# Altium PCB PCB_15122020_01BC.PcbDoc (part 7 of 9)
Units mm, origin at the board's own origin, x right, y up, seen from the top; angles counter-clockwise.
Board outline 207.9 x 131.1 mm, 4 copper layers (Top Layer, Layer 1, Layer 2, Bottom Layer), stack 1.57 mm thick; 684 components, 706 nets, 2796 pads, 1697 vias.
Unrouted connection lines stored in the file: 3.
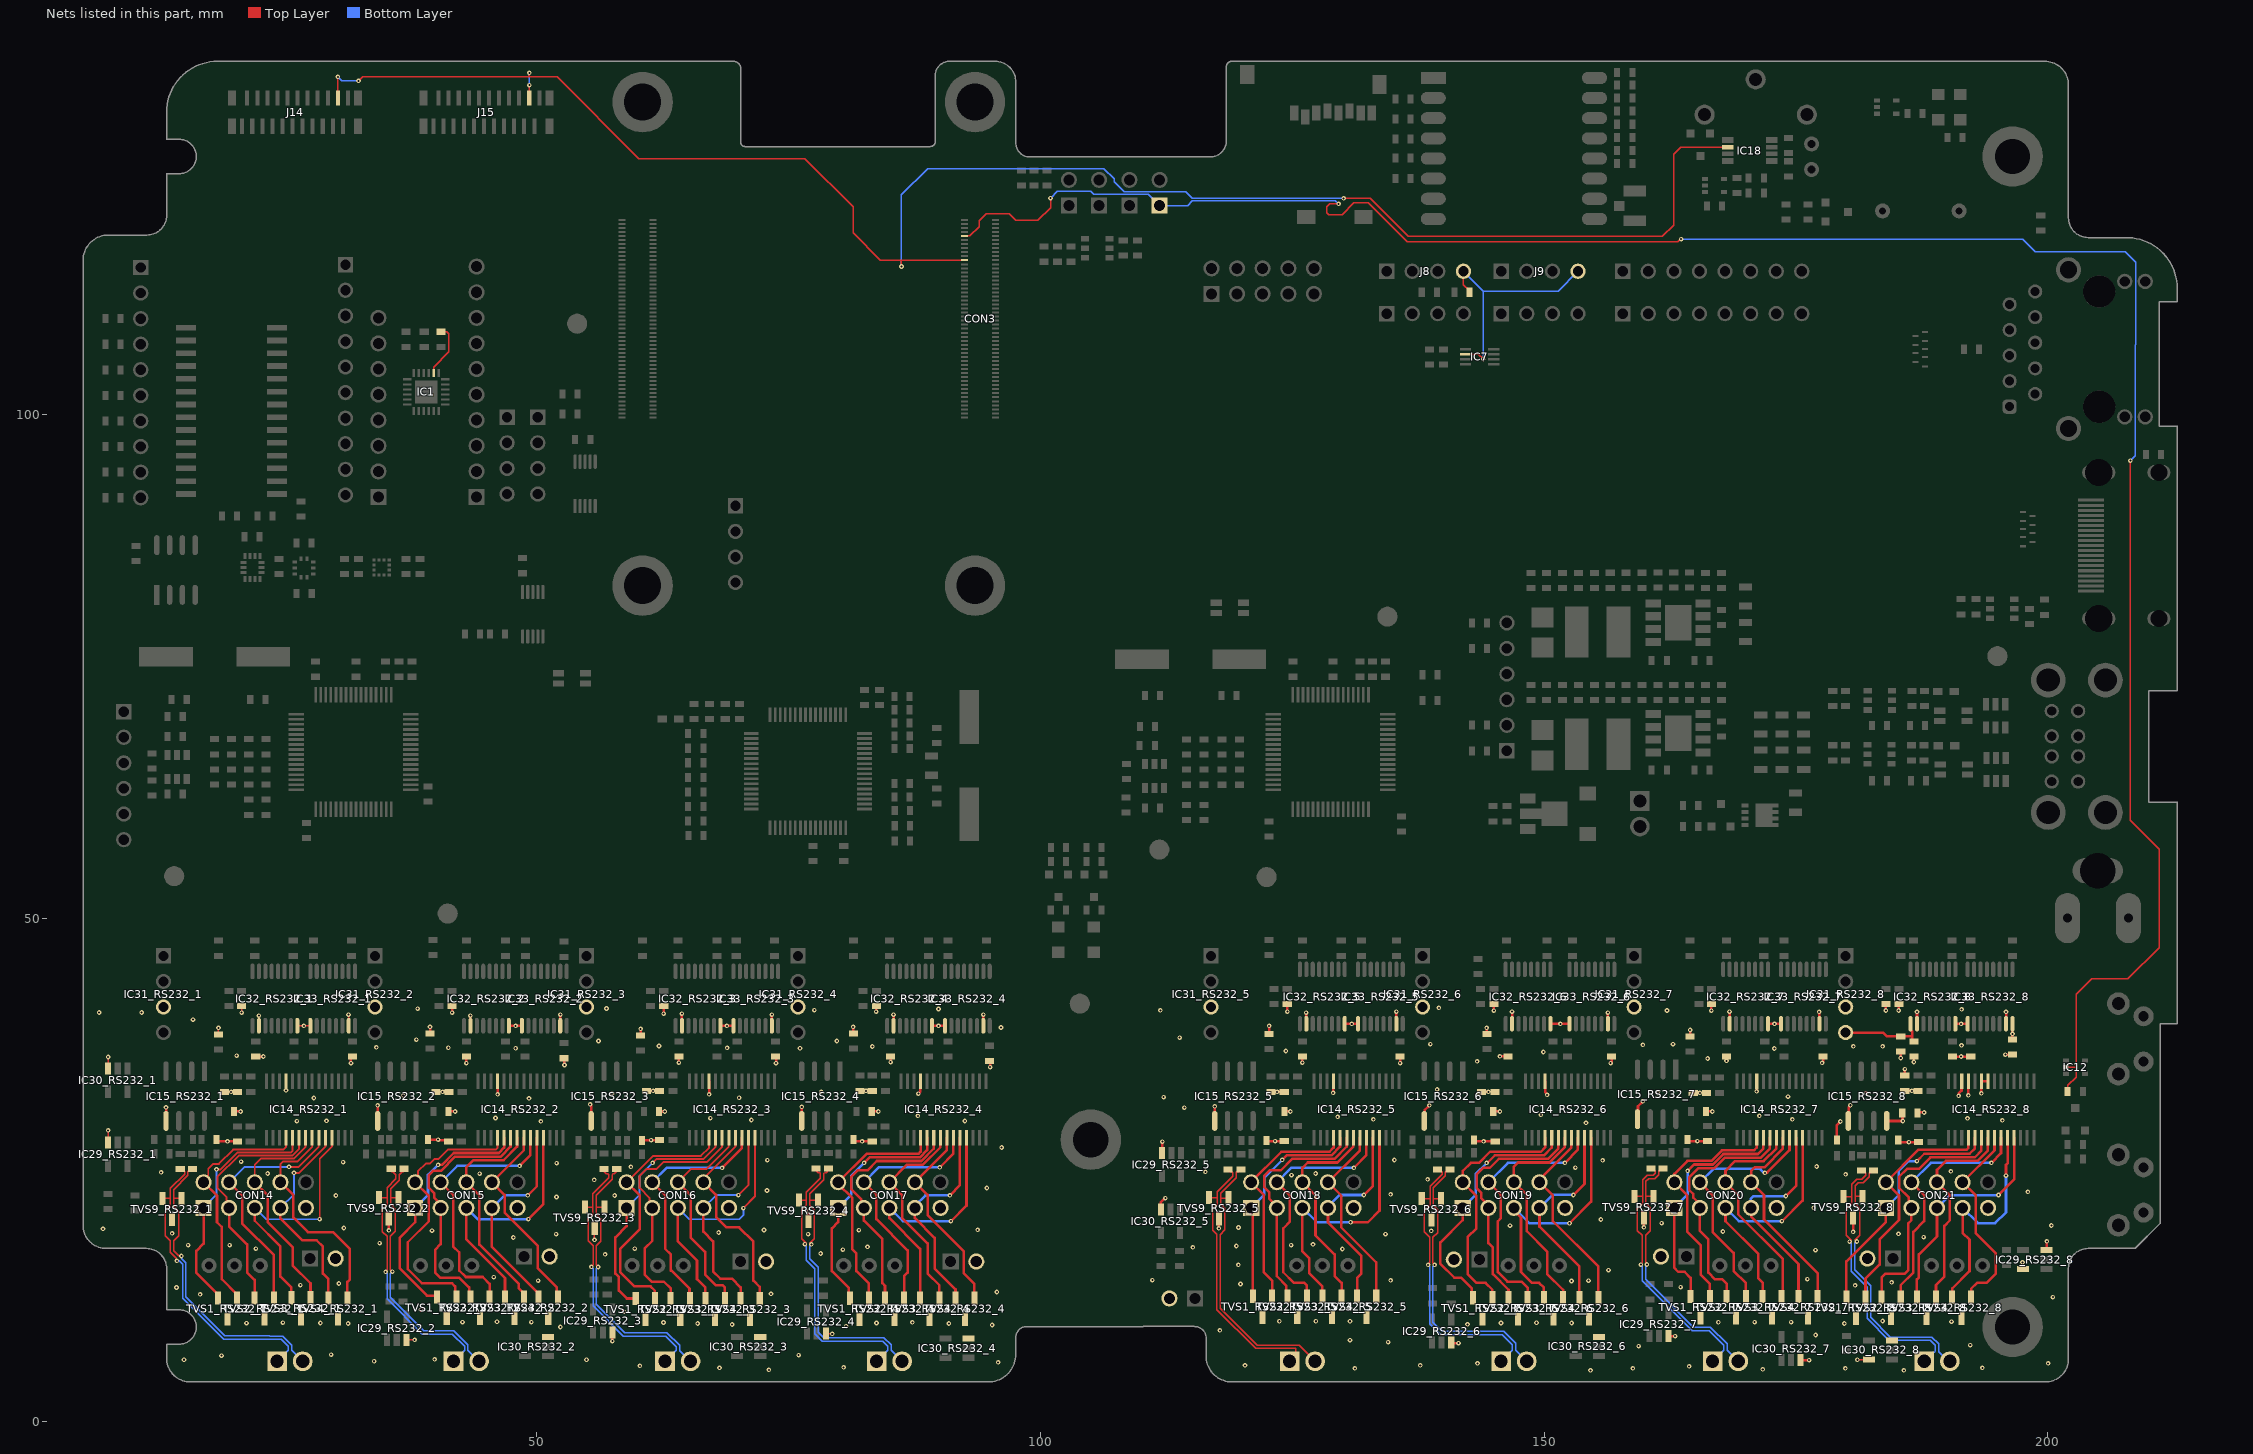
[diagram p9: the nets of this part, all layers, seen from the top]

## Via types
v1: diameter 0.46, hole 0.2, Top Layer to Bottom Layer, tented both sides, 1697 vias

## Nets (pads, with @x,y where several pads share a name; then routed paths per layer and width w, separated by ;. In a path a pad name is that pad's centre, name@x,y a point inside that pad or via, vN(x,y) a via of type N, cw(c..) or ccw(c..) an arc to the next point about the centre after c; other vN are vias at no path point) (continued)
RS232_+5V_RS232_8: C39_RS232_8.1 C45_RS232_8.1 C51_RS232_8.2 C119_RS232_8.1 C121_RS232_8.1 IC14_RS232_8.22 IC14_RS232_8.23 IC14_RS232_8.26 IC15_RS232_8.8 IC29_RS232_8.5 IC30_RS232_8.5 IC31_RS232_8.4 IC32_RS232_8.1 IC33_RS232_8.16 R56_RS232_8.2 R70_RS232_8.1 R71_RS232_8.2 R97_RS232_8.2 | length 23.3
  Top Layer w0.127: v1(181.1,6.15) 182.23,6.15 IC30_RS232_8.5@182.25,6.17 IC30_RS232_8.5@182.3,6.12
  Top Layer w0.254: R70_RS232_8.1@179.05,27.95 179.025,27.975 179.025,29.425 v1(179.4,29.8) ; IC31_RS232_8.4@179.934,38.63 183.649,38.63 184.029,38.25 C39_RS232_8.1@185.4,38.25 186.523,38.25 ; IC15_RS232_8.8@184.004,29.86 184.014,29.85 v1(185.6,29.85) 185.575,29.875 185.575,30.875 C51_RS232_8.2@185.55,30.9 ; v1(185.2,40.825) 185.2,41.442 R56_RS232_8.2@185.227,41.469 ; C45_RS232_8.1@185.8,34.35 v1(185.8,35) ; IC32_RS232_8.1@186.378,39.5 186.378,38.885 186.523,38.74 186.523,38.25 ; C119_RS232_8.1@186.7,37.75 186.696,37.75 186.523,37.923 186.523,38.25 ; R71_RS232_8.2@190.525,36.25 v1(191.4,36.25) R97_RS232_8.2@192.35,36.25 ; v1(191.143,32.35) 191.143,32.581 191.432,32.87 191.432,33.777 IC14_RS232_8.26@191.455,33.8 ; v1(193.405,32.6) IC14_RS232_8.23@193.405,33.8 IC14_RS232_8.22@194.055,33.8 ; C121_RS232_8.1@196.488,38.05 v1(196.488,38.5) IC33_RS232_8.16@196.488,39.5 ; v1(197.491,15.824) 197.491,15.209 IC29_RS232_8.5@197.55,15.15
  Bottom Layer w0.254: v1(179.4,29.8) v1@179.425,29.825 ; v1@185.575,29.825 v1(185.6,29.85)
RS232_GND_RS232_1: C39_RS232_1.2 C45_RS232_1.2 C47_RS232_1.2 C49_RS232_1.2 C51_RS232_1.1 C119_RS232_1.2 C121_RS232_1.2 CON14.9 IC14_RS232_1.25 IC15_RS232_1.5 IC29_RS232_1.3 IC30_RS232_1.3 IC31_RS232_1.3 IC32_RS232_1.2 IC32_RS232_1.8 IC33_RS232_1.9 IC33_RS232_1.15 J12_RS232_1.2 R57_RS232_1.2 R61_RS232_1.2 TVS1_RS232_1.3 TVS2_RS232_1.3 TVS3_RS232_1.3 TVS4_RS232_1.3 TVS9_RS232_1.3 | length 15
  Top Layer w0.127: IC29_RS232_1.3@7.45,27.7 v1(7.45,28.925) ; IC30_RS232_1.3@7.45,35.05 v1(7.45,36.2) ; C39_RS232_1.2@18.4,38.45 v1(18.4,39.1) ; C45_RS232_1.2@19,32.75 v1(19.65,32.75) C47_RS232_1.2@20.3,32.75 ; v1(20.7,40.6) R57_RS232_1.2@20.7,41.25 ; v1(22.4,40.313) 22.406,40.306 22.406,39.306 IC32_RS232_1.2@22.413,39.3 ; v1(25.1,32.9) 25.102,32.902 25.102,33.797 IC14_RS232_1.25@25.105,33.8 ; IC32_RS232_1.8@26.223,39.3 v1(26.87,39.3) IC33_RS232_1.9@27.517,39.3 ; v1(31.3,40.4) 31.327,40.373 IC33_RS232_1.15@31.327,39.3
  Top Layer w0.254: IC15_RS232_1.5@13.195,29.86 v1(13.195,31.2) ; R61_RS232_1.2@18.196,28 18.196,27.998 18.369,27.825 v1(19.3,27.825) C49_RS232_1.2@20.3,27.825 ; C51_RS232_1.1@19.95,30.8 v1(20.6,30.8) ; C119_RS232_1.2@22.1,36.25 v1(22.85,36.25) ; v1(31.55,35.6) 31.55,36.1 C121_RS232_1.2@31.7,36.25
  Bottom Layer w0.127: v1@31.3,40.313 v1(31.3,40.4)
  other v1: 14.975,6.15 18.7,6.55 29.575,6.655 31.275,9.75 21.175,9.775 28.505,9.8 24.787,9.833 16.575,12.65 14.229,13.32 26.525,13.55 30.35,13.725 22.1,17.175 15.392,17.526 19.5,17.525 13.792,18.694 6.933,19.15 30.836,19.228 30.054,22.454 23.275,24.645 12.71,24.749 30.772,25.757 20.65,25.814 26.183,29.829 29.126,29.861 27.865,32.134 20.203,36.339 15.874,39.905 6.55,40.625 10.775,40.625
RS232_GND_RS232_2: C39_RS232_2.2 C45_RS232_2.2 C47_RS232_2.2 C49_RS232_2.2 C51_RS232_2.1 C119_RS232_2.2 C121_RS232_2.2 CON15.9 IC14_RS232_2.25 IC15_RS232_2.5 IC29_RS232_2.3 IC30_RS232_2.3 IC31_RS232_2.3 IC32_RS232_2.2 IC32_RS232_2.8 IC33_RS232_2.9 IC33_RS232_2.15 J12_RS232_2.2 R57_RS232_2.2 R61_RS232_2.2 TVS1_RS232_2.3 TVS2_RS232_2.3 TVS3_RS232_2.3 TVS4_RS232_2.3 TVS9_RS232_2.3 | length 13.9
  Top Layer w0.127: IC29_RS232_2.3@37.043,8.121 v1(37.871,8.121)
  Top Layer w0.254: IC15_RS232_2.5@34.195,29.86 34.198,29.863 34.198,31.398 v1(34.2,31.4) ; TVS9_RS232_2.3@35.3,20.15 35.306,20.144 v1(35.306,18.999) ; R61_RS232_2.2@39.21,28 39.212,27.998 v1(40.2,27.998) 40.238,27.96 41.115,27.96 C49_RS232_2.2@41.25,27.825 ; C39_RS232_2.2@39.4,38.55 v1(39.4,39.2) ; C51_RS232_2.1@41.25,30.8 41.895,30.8 v1(41.9,30.795) ; v1(41.6,40.6) R57_RS232_2.2@41.6,41.25 ; v1(43,35.6) C119_RS232_2.2@43,36.25 ; v1(43.4,40.313) 43.406,40.306 43.406,39.306 IC32_RS232_2.2@43.412,39.3 ; v1(46.105,32.5) IC14_RS232_2.25@46.105,33.8 ; IC32_RS232_2.8@47.222,39.3 v1(47.9,39.3) 48.5,39.3 IC33_RS232_2.9@48.509,39.309 ; IC33_RS232_2.15@52.328,39.3 v1(52.328,40.4) ; C121_RS232_2.2@52.7,36.25 52.8,36.15 52.64,35.99 52.745,35.885 v1(52.745,35.41)
  other v1: 33.85,6 39.851,6.198 52.328,9.4 42.625,9.879 49.456,9.879 46.05,9.921 38.5,11.125 50.133,13.993 45.725,14.35 34.392,17.729 47.676,18.288 51.918,18.626 39.598,18.957 51.95,22.313 44.325,24.632 51.968,25.664 50.405,29.821 45.904,30.146 49.23,32.096 36.74,32.384 40.65,32.75 47.892,37.072 41.216,37.122 34.064,37.16 38.04,37.922 38.177,41.011
RS232_GND_RS232_3: C39_RS232_3.2 C45_RS232_3.2 C47_RS232_3.2 C49_RS232_3.2 C51_RS232_3.1 C119_RS232_3.2 C121_RS232_3.2 CON16.9 IC14_RS232_3.25 IC15_RS232_3.5 IC29_RS232_3.3 IC30_RS232_3.3 IC31_RS232_3.3 IC32_RS232_3.2 IC32_RS232_3.8 IC33_RS232_3.9 IC33_RS232_3.15 J12_RS232_3.2 R57_RS232_3.2 R61_RS232_3.2 TVS1_RS232_3.3 TVS2_RS232_3.3 TVS3_RS232_3.3 TVS4_RS232_3.3 TVS9_RS232_3.3 | length 14.4
  Top Layer w0.127: v1(55.725,18.05) TVS9_RS232_3.3@55.725,19.225
  Top Layer w0.254: v1(55.3,31.5) 55.3,31.447 55.395,31.352 IC15_RS232_3.5@55.395,29.86 ; TVS9_RS232_3.3@55.725,19.225 TVS9_RS232_3.3@55.75,19.2 ; v1(57.5,8) IC29_RS232_3.3@57.5,8.85 ; C39_RS232_3.2@60.3,38.35 60.31,38.36 v1(60.31,39) ; R61_RS232_3.2@60.45,27.9 60.5,27.95 v1(61.35,27.95) C49_RS232_3.2@62.2,27.95 ; C45_RS232_3.2@60.9,32.85 v1(61.544,32.85) v1@61.6,32.85 ; C51_RS232_3.1@62.15,30.8 62.155,30.795 v1(62.7,30.795) ; v1(62.6,40.5) R57_RS232_3.2@62.6,41.25 ; v1(64.1,35.641) C119_RS232_3.2@64.1,36.25 ; v1(64.4,40.5) 64.406,40.494 64.406,39.306 IC32_RS232_3.2@64.413,39.3 ; v1(67.1,32.5) 67.102,32.502 67.102,33.798 IC14_RS232_3.25@67.105,33.8 ; IC32_RS232_3.8@68.223,39.3 v1(68.87,39.3) IC33_RS232_3.9@69.517,39.3 ; IC30_RS232_3.3@72.161,8.429 IC30_RS232_3.3@72.18,8.41 ; IC33_RS232_3.15@73.327,39.3 v1(73.327,40.4) ; C121_RS232_3.2@73.7,36.25 73.75,36.2 v1(73.75,35.6)
  other v1: 73.033,5.15 68.134,5.35 60.233,5.55 54.933,6.15 69.4,9.651 65.975,9.75 62.575,9.85 58.658,10.925 73.25,12.7 56.786,16.619 59.722,17.179 68.052,18.786 72.551,19.034 57.732,22.458 72.85,22.95 55.702,24.003 59.334,25.3 72.887,25.96 71.293,29.945 67.22,30.139 70.089,32.158 57.459,32.586 68.9,37.117 62.123,37.299 56.123,37.797 56.912,41.015
RS232_GND_RS232_4: C39_RS232_4.2 C45_RS232_4.2 C47_RS232_4.2 C49_RS232_4.2 C51_RS232_4.1 C119_RS232_4.2 C121_RS232_4.2 CON17.9 IC14_RS232_4.25 IC15_RS232_4.5 IC29_RS232_4.3 IC30_RS232_4.3 IC31_RS232_4.3 IC32_RS232_4.2 IC32_RS232_4.8 IC33_RS232_4.9 IC33_RS232_4.15 J12_RS232_4.2 R57_RS232_4.2 R61_RS232_4.2 TVS1_RS232_4.3 TVS2_RS232_4.3 TVS3_RS232_4.3 TVS4_RS232_4.3 TVS9_RS232_4.3 | length 13.3
  Top Layer w0.127: IC29_RS232_4.3@78.7,8.75 78.725,8.725 v1(79.329,8.725) ; IC30_RS232_4.3@92.87,8.25 IC30_RS232_4.3@93.07,8.45
  Top Layer w0.254: IC15_RS232_4.5@76.295,29.86 76.298,29.862 76.298,31.253 v1(76.3,31.255) ; TVS9_RS232_4.3@76.985,19.9 76.993,19.907 76.993,20.893 v1(77,20.9) ; v1(81.4,39.2) 81.4,38.579 C39_RS232_4.2@81.429,38.55 ; R61_RS232_4.2@81.429,28 81.429,27.998 81.602,27.825 v1(82.3,27.825) C49_RS232_4.2@83.3,27.825 ; C51_RS232_4.1@83.25,30.8 v1(83.9,30.8) ; v1(83.684,40.7) 83.684,41.234 R57_RS232_4.2@83.7,41.25 ; C119_RS232_4.2@85.1,36.25 85.125,36.225 v1(85.125,35.698) ; IC32_RS232_4.2@85.413,39.3 v1(85.413,40.4) ; v1(87.878,32.567) 87.878,32.575 88.082,32.779 88.082,33.777 IC14_RS232_4.25@88.105,33.8 ; IC32_RS232_4.8@89.223,39.3 v1(89.87,39.3) IC33_RS232_4.9@90.517,39.3 ; IC33_RS232_4.15@94.327,39.3 v1(94.327,40.4) ; C121_RS232_4.2@94.87,35.93 95,35.8 v1(95,35.2)
  other v1: 80.46,5.4 95.8,5.9 76,6.6 80.7,9.475 95.2,9.6 90.9,9.75 83.725,9.8 87.275,9.856 95.675,12.875 78.175,16.694 80.375,17.075 82.825,17.35 76.932,18.62 81.974,19.016 93.761,19.054 94.675,23.2 96.144,27.224 92.485,29.855 87.831,30.369 78.24,32.741 82.683,32.85 76.133,37.072 83.3,37.247 79.785,37.791 96.076,39.139 77.551,40.85 89.875,40.967
RS232_GND_RS232_5: C39_RS232_5.2 C45_RS232_5.2 C47_RS232_5.2 C49_RS232_5.2 C51_RS232_5.1 C119_RS232_5.2 C121_RS232_5.2 CON18.9 IC14_RS232_5.25 IC15_RS232_5.5 IC29_RS232_5.3 IC30_RS232_5.3 IC31_RS232_5.3 IC32_RS232_5.2 IC32_RS232_5.8 IC33_RS232_5.9 IC33_RS232_5.15 J12_RS232_5.2 R57_RS232_5.2 R61_RS232_5.2 TVS1_RS232_5.3 TVS2_RS232_5.3 TVS3_RS232_5.3 TVS4_RS232_5.3 TVS9_RS232_5.3 | length 15.7
  Top Layer w0.254: IC30_RS232_5.3@111.95,21.05 111.95,21.8 112.35,22.2 v1(112.4,22.2) ; IC29_RS232_5.3@112.05,26.672 112.075,26.697 112.075,27.775 v1(112.1,27.8) ; IC15_RS232_5.5@117.295,29.86 117.297,29.862 117.297,31.298 v1(117.3,31.3) ; v1(117.7,19.2) TVS9_RS232_5.3@117.7,20.15 ; R61_RS232_5.2@122.45,27.9 122.5,27.85 v1(123.3,27.85) C49_RS232_5.2@124.2,27.85 ; C39_RS232_5.2@122.7,38.488 v1(122.7,39.3) ; C45_RS232_5.2@122.9,32.7 C45_RS232_5.2@122.95,32.75 ; v1(123.5,32.75) C47_RS232_5.2@124.2,32.75 ; C51_RS232_5.1@124.21,30.8 v1(124.8,30.8) ; v1(124.5,40.7) R57_RS232_5.2@124.5,41.45 ; v1(126,35.641) C119_RS232_5.2@126,36.25 ; v1(126.375,40.6) 126.384,40.591 126.384,39.509 IC32_RS232_5.2@126.392,39.5 ; v1(129.05,32.65) 129.082,32.682 129.082,33.777 IC14_RS232_5.25@129.105,33.8 ; IC32_RS232_5.8@130.202,39.5 v1(130.9,39.5) IC33_RS232_5.9@131.517,39.5 ; IC33_RS232_5.15@135.327,39.5 v1(135.327,40.7) ; v1(135.7,35.6) C121_RS232_5.2@135.7,36.25
  other v1: 131.2,5.3 120.3,5.6 134.512,7.897 130.728,8.1 117.812,9.072 123.712,9.972 127.337,9.972 130.728,9.972 119.862,13.672 134.762,14.028 111.108,14.047 119.65,15.566 129.962,17.147 115.127,17.315 119.447,17.443 124.893,17.533 127.059,17.598 134.257,18.626 119.661,19.276 134.763,22.572 124.919,24.478 127.315,24.645 116.361,24.799 135.132,25.98 133.043,30.019 129.5,30.264 114.287,31.172 112.232,32.213 124.362,36.806 113.811,38.122 111.891,40.84
RS232_GND_RS232_6: C39_RS232_6.2 C45_RS232_6.2 C47_RS232_6.2 C49_RS232_6.2 C51_RS232_6.1 C119_RS232_6.2 C121_RS232_6.2 CON19.9 IC14_RS232_6.25 IC15_RS232_6.5 IC29_RS232_6.3 IC30_RS232_6.3 IC31_RS232_6.3 IC32_RS232_6.2 IC32_RS232_6.8 IC33_RS232_6.9 IC33_RS232_6.15 J12_RS232_6.2 R57_RS232_6.2 R61_RS232_6.2 TVS1_RS232_6.3 TVS2_RS232_6.3 TVS3_RS232_6.3 TVS4_RS232_6.3 TVS9_RS232_6.3 | length 14.4
  Top Layer w0.254: IC15_RS232_6.5@138.095,29.86 138.148,29.913 138.148,30.948 v1(138.6,31.4) ; IC29_RS232_6.3@140.779,7.85 140.829,7.8 v1(141.5,7.8) ; R61_RS232_6.2@143.05,27.95 143.175,27.825 v1(144,27.825) C49_RS232_6.2@145.143,27.825 ; C45_RS232_6.2@143.8,32.75 v1(144.46,32.75) v1@144.5,32.75 ; v1(144.3,39.1) 144.3,38.513 C39_RS232_6.2@144.325,38.488 ; C51_RS232_6.1@144.945,30.8 v1(145.6,30.8) ; v1(145,40.8) 145,41.445 R57_RS232_6.2@145.005,41.45 ; v1(145.6,36.268) 145.609,36.259 146.391,36.259 C119_RS232_6.2@146.4,36.25 ; IC32_RS232_6.2@146.813,39.5 v1(146.813,40.7) ; IC14_RS232_6.25@150.105,33.8 150.1,33.795 150.1,32.708 150.3,32.508 v1(150.3,32.455) ; IC32_RS232_6.8@150.623,39.5 v1(151.6,39.5) IC33_RS232_6.9@152.518,39.5 ; IC33_RS232_6.15@156.328,39.5 v1(156.328,40.6) ; v1(156.6,35.6) 156.6,35.653 156.7,35.753 C121_RS232_6.2@156.7,36.25
  other v1: 154.6,5.1 137.7,5.6 143.387,5.797 142.387,9.672 145.712,9.797 152.737,9.797 149.237,9.822 152.712,13.972 154.398,13.997 156.387,15.047 138.792,18.942 146.605,19.464 155.636,20.066 138.431,24.053 153.094,25.217 155.809,25.939 154.151,29.671 149.669,30.461 139.381,32.976 143.341,35.772 149.923,36.697 138.699,37.471 139.545,41.089
RS232_GND_RS232_7: C39_RS232_7.2 C45_RS232_7.2 C47_RS232_7.2 C49_RS232_7.2 C51_RS232_7.1 C119_RS232_7.2 C121_RS232_7.2 CON20.9 IC14_RS232_7.25 IC15_RS232_7.5 IC29_RS232_7.3 IC30_RS232_7.3 IC31_RS232_7.3 IC32_RS232_7.2 IC32_RS232_7.8 IC33_RS232_7.9 IC33_RS232_7.15 J12_RS232_7.2 R57_RS232_7.2 R61_RS232_7.2 TVS1_RS232_7.3 TVS2_RS232_7.3 TVS3_RS232_7.3 TVS4_RS232_7.3 TVS9_RS232_7.3 | length 14.2
  Top Layer w0.254: IC15_RS232_7.5@159.263,30.035 159.316,30.088 159.316,31.316 v1(159.8,31.8) ; v1(159.9,19.3) TVS9_RS232_7.3@159.9,20.25 ; IC29_RS232_7.3@162.35,8.5 v1(163,8.5) ; R61_RS232_7.2@164.25,28 164.4,27.85 v1(165.2,27.85) C49_RS232_7.2@166.2,27.85 ; C39_RS232_7.2@164.5,38.25 v1(164.5,38.885) ; C51_RS232_7.1@166.075,30.8 v1(166.7,30.8) ; v1(166.599,40.8) 166.599,41.43 R57_RS232_7.2@166.619,41.45 ; v1(168.1,35.814) C119_RS232_7.2@168.1,36.25 ; v1(168.4,40.7) 168.406,40.694 168.406,39.506 IC32_RS232_7.2@168.413,39.5 ; v1(171.1,32.8) 171.102,32.803 171.102,33.797 IC14_RS232_7.25@171.105,33.8 ; IC32_RS232_7.8@172.223,39.5 v1(172.87,39.5) IC33_RS232_7.9@173.517,39.5 ; IC30_RS232_7.3@175.46,6.11 v1(176.3,6.11) ; v1(177.3,40.694) 177.314,40.68 177.314,39.514 IC33_RS232_7.15@177.327,39.5 ; v1(177.605,35.619) 177.605,35.672 177.7,35.767 C121_RS232_7.2@177.7,36.25
  other v1: 171.7,5.2 158.8,5.3 164.4,5.5 159.375,7.5 176.955,8.6 167.3,9.872 170.9,9.879 174.525,9.879 163.546,13.35 176.125,14.15 176.943,17.023 167.737,18.881 161.66,19.712 176.75,21.23 177.049,25.333 174.642,30.009 171.357,30.354 174.213,32.272 161.278,32.636 165.45,32.65 166.234,36.051 172.86,37.053 159.796,37.415 162.797,37.487 162.202,40.825
RS232_GND_RS232_8: C39_RS232_8.2 C45_RS232_8.2 C47_RS232_8.2 C49_RS232_8.2 C51_RS232_8.1 C119_RS232_8.2 C121_RS232_8.2 CON21.9 IC14_RS232_8.25 IC15_RS232_8.5 IC29_RS232_8.3 IC30_RS232_8.3 IC31_RS232_8.3 IC32_RS232_8.2 IC32_RS232_8.8 IC33_RS232_8.9 IC33_RS232_8.15 J12_RS232_8.2 R57_RS232_8.2 R61_RS232_8.2 TVS1_RS232_8.3 TVS2_RS232_8.3 TVS3_RS232_8.3 TVS4_RS232_8.3 TVS9_RS232_8.3 | length 15
  Top Layer w0.127: IC30_RS232_8.3@184.55,8.07 IC30_RS232_8.3@184.6,8.02
  Top Layer w0.254: IC15_RS232_8.5@180.194,29.86 180.247,29.913 180.247,31.208 180.4,31.361 v1(180.4,31.414) ; v1(180.674,18.84) TVS9_RS232_8.3@180.674,20.25 ; v1(183.92,40.825) R57_RS232_8.2@183.92,41.45 ; R61_RS232_8.2@185.153,27.95 185.153,27.923 185.326,27.75 v1(186.2,27.75) C49_RS232_8.2@187.15,27.75 ; v1(185.4,36.1) C39_RS232_8.2@185.4,36.75 ; C45_RS232_8.2@185.8,32.85 v1(186.5,32.85) ; v1(186.7,35.713) C119_RS232_8.2@186.7,36.25 ; IC32_RS232_8.2@187.013,39.5 v1(187.013,40.68) ; C51_RS232_8.1@187.05,30.65 187.1,30.7 v1(187.73,30.7) ; IC32_RS232_8.8@190.823,39.5 v1(191.4,39.5) IC33_RS232_8.9@192.043,39.5 ; v1(192.102,32.403) 192.102,33.797 IC14_RS232_8.25@192.105,33.8 ; v1(195.775,36.437) 195.781,36.444 196.481,36.444 C121_RS232_8.2@196.488,36.45 ; IC33_RS232_8.15@195.853,39.5 v1(195.853,40.68) ; IC29_RS232_8.3@199.85,17.05 199.9,17.1 v1(199.9,17.9)
  other v1: 185.7,5.1 179.9,5.3 193.5,5.35 200.04,5.8 192.3,7.6 179.8,9.75 190.44,9.925 183.6,10 200.5,12.365 180.875,13.528 184.499,13.825 187.675,18.325 185.175,18.65 200.35,19.475 198.023,22.817 179.937,24.551 190.38,24.848 195.488,29.912 192.032,30.109 181.974,32.595 180.69,37.269 183.604,37.269 191.43,37.355 191.443,40.931
RS485_RS232_1_N: CON7_RS232_1.2 FR9_RS232_1.2 TVS9_RS232_1.1 | length 29.9
  Top Layer w0.126: v1(14.72,16.45) 14.64,16.45 14.619,16.47 14.462,16.47 13.957,16.976 13.957,17.983 14.453,18.479 14.453,20.866 13.954,21.364 13.954,22.174 ; TVS9_RS232_1.1@14.742,22.157 13.971,22.157 13.954,22.174 ; FR9_RS232_1.2@15.8,25.077 15.65,25.077 15.365,24.791 15.365,24.451 13.954,23.04 13.954,22.174
  Bottom Layer w0.126: v1(14.72,16.45) 14.72,16.37 14.743,16.346 14.743,16.189 15.163,15.769 15.163,12.379 19.034,8.509 23.501,8.509 23.505,8.504 24.757,8.504 25.658,7.604 25.658,7.1 26.758,6 CON7_RS232_1.2@26.763,6
RS485_RS232_1_P: CON7_RS232_1.1 FR10_RS232_1.1 TVS9_RS232_1.2 | length 29.9
  Top Layer w0.126: TVS9_RS232_1.2@12.842,22.157 13.616,22.157 13.625,22.149 ; v1(14.26,15.97) 14.26,16.05 14.229,16.08 14.229,16.237 13.627,16.839 13.627,17.983 13.132,18.479 13.132,20.87 13.625,21.364 13.625,22.149 ; FR10_RS232_1.1@14.6,25.077 14.75,25.077 15.035,24.791 15.035,24.587 13.625,23.177 13.625,22.149
  Bottom Layer w0.126: v1(14.26,15.97) 14.34,15.97 14.353,15.956 14.51,15.956 14.834,15.633 14.834,12.243 18.897,8.179 23.334,8.179 23.339,8.175 24.621,8.175 25.328,7.467 25.328,7.105 CON7_RS232_1.1@24.223,6
RS485_RS232_2_N: CON7_RS232_2.2 FR9_RS232_2.2 TVS9_RS232_2.1 | length 26.2
  Top Layer w0.126: v1(35.654,14.9) 35.654,14.909 35.465,15.099 35.465,18.406 35.941,18.882 35.941,21.1 35.476,21.565 35.476,22.2 ; TVS9_RS232_2.1@36.25,22.25 35.526,22.25 35.476,22.2 ; FR9_RS232_2.2@36.8,24.829 36.65,24.829 36.34,24.519 36.34,23.968 35.476,23.105 35.476,22.2
  Bottom Layer w0.126: v1(35.654,14.9) 35.654,14.891 35.465,14.701 35.465,12.335 38.771,9.029 41.754,9.029 43.165,7.618 43.165,7.075 44.24,6 CON7_RS232_2.2@44.27,6
RS485_RS232_2_P: CON7_RS232_2.1 FR10_RS232_2.1 TVS9_RS232_2.2 | length 26.2
  Top Layer w0.126: TVS9_RS232_2.2@34.35,22.25 35.097,22.25 35.147,22.2 ; v1(34.998,14.874) 34.998,14.962 35.135,15.099 35.135,18.406 34.671,18.87 34.671,21.089 35.147,21.565 35.147,22.2 ; FR10_RS232_2.1@35.55,24.829 35.7,24.829 36.01,24.519 36.01,24.105 35.147,23.241 35.147,22.2
  Bottom Layer w0.126: v1(34.998,14.874) 34.998,14.838 35.135,14.701 35.135,12.199 38.634,8.7 41.617,8.7 42.835,7.482 42.835,7.105 CON7_RS232_2.1@41.73,6
RS485_RS232_3_N: CON7_RS232_3.2 FR9_RS232_3.2 TVS9_RS232_3.1 | length 27.5
  Top Layer w0.126: v1(56.093,15.36) 56.093,15.42 55.915,15.599 55.915,17.482 56.367,17.935 56.367,20.134 55.9,20.601 55.9,21.3 ; TVS9_RS232_3.1@56.7,21.3 55.9,21.3 ; FR9_RS232_3.2@57.935,24.85 57.698,24.613 57.539,24.613 57.465,24.539 57.465,24.064 55.9,22.499 55.9,21.3
  Bottom Layer w0.126: v1(56.093,15.36) 56.073,15.36 55.915,15.201 55.915,11.635 58.73,8.82 62.913,8.82 64.165,7.568 64.165,7.05 65.215,6 CON7_RS232_3.2@65.27,6
RS485_RS232_3_P: CON7_RS232_3.1 FR10_RS232_3.1 TVS9_RS232_3.2 | length 27.4
  Top Layer w0.126: TVS9_RS232_3.2@54.8,21.3 55.571,21.3 ; v1(55.42,15.38) 55.42,15.433 55.585,15.599 55.585,17.482 55.1,17.968 55.1,20.125 55.571,20.596 55.571,21.3 ; FR10_RS232_3.1@56.665,24.85 56.902,24.613 57.052,24.613 57.135,24.53 57.135,24.2 55.571,22.635 55.571,21.3
  Bottom Layer w0.126: v1(55.42,15.38) 55.42,15.367 55.585,15.201 55.585,11.499 58.594,8.49 62.777,8.49 63.835,7.432 63.835,7.105 CON7_RS232_3.1@62.73,6
RS485_RS232_4_N: CON7_RS232_4.2 FR9_RS232_4.2 TVS9_RS232_4.1 | length 28.5
  Top Layer w0.126: v1(77.26,17.61) 77.19,17.61 77.1,17.7 77.565,18.165 77.565,21.035 77.1,21.5 77.1,22 ; TVS9_RS232_4.1@77.935,22 77.1,22 ; FR9_RS232_4.2@78.95,24.95 78.713,24.713 78.563,24.713 78.489,24.639 78.489,24.023 77.1,22.634 77.1,22
  Bottom Layer w0.126: v1(77.26,17.61) 77.26,17.586 77.1,17.426 77.1,16.166 77.925,15.341 77.925,8.875 78.471,8.329 84.454,8.329 85.165,7.618 85.165,7.1 86.265,6 CON7_RS232_4.2@86.27,6
RS485_RS232_4_P: CON7_RS232_4.1 FR10_RS232_4.1 TVS9_RS232_4.2 | length 28.4
  Top Layer w0.126: TVS9_RS232_4.2@76.035,22 76.771,22 ; v1(76.61,17.62) 76.691,17.62 76.771,17.7 76.3,18.171 76.3,21.029 76.771,21.5 76.771,22 ; FR10_RS232_4.1@77.698,24.95 77.935,24.713 78.085,24.713 78.159,24.639 78.159,24.159 76.771,22.771 76.771,22
  Bottom Layer w0.126: v1(76.61,17.62) 76.61,17.587 76.771,17.426 76.771,16.029 77.596,15.204 77.596,8.739 78.334,8 84.317,8 84.835,7.482 84.835,7.105 CON7_RS232_4.1@83.73,6
RS485_RS232_5_N: CON7_RS232_5.2 FR9_RS232_5.2 TVS9_RS232_5.1 | length 27.5
  Top Layer w0.126: TVS9_RS232_5.1@118.65,22.25 118.6,22.2 117.879,22.2 ; FR9_RS232_5.2@119.9,25.05 119.663,24.813 119.489,24.813 119.415,24.739 119.415,24.233 117.879,22.697 117.879,22.2 ; CON7_RS232_5.2@127.27,6 125.671,7.6 121.5,7.6 117.829,11.271 117.829,18.565 118.3,19.035 118.3,21.179 117.879,21.6 117.879,22.2
RS485_RS232_5_P: CON7_RS232_5.1 FR10_RS232_5.1 TVS9_RS232_5.2 | length 27
  Top Layer w0.126: TVS9_RS232_5.2@116.75,22.25 116.783,22.217 117.55,22.217 ; FR10_RS232_5.1@118.6,25.05 118.837,24.813 118.987,24.813 119.085,24.715 119.085,24.369 117.55,22.834 117.55,22.217 ; CON7_RS232_5.1@124.73,6 125.342,6.612 125.342,7.271 121.364,7.271 117.5,11.134 117.5,18.6 117.1,19 117.1,21.15 117.55,21.6 117.55,22.217